# Altium PCB 6 Layers Motherboard.PcbDoc (part 2 of 2) (continued)
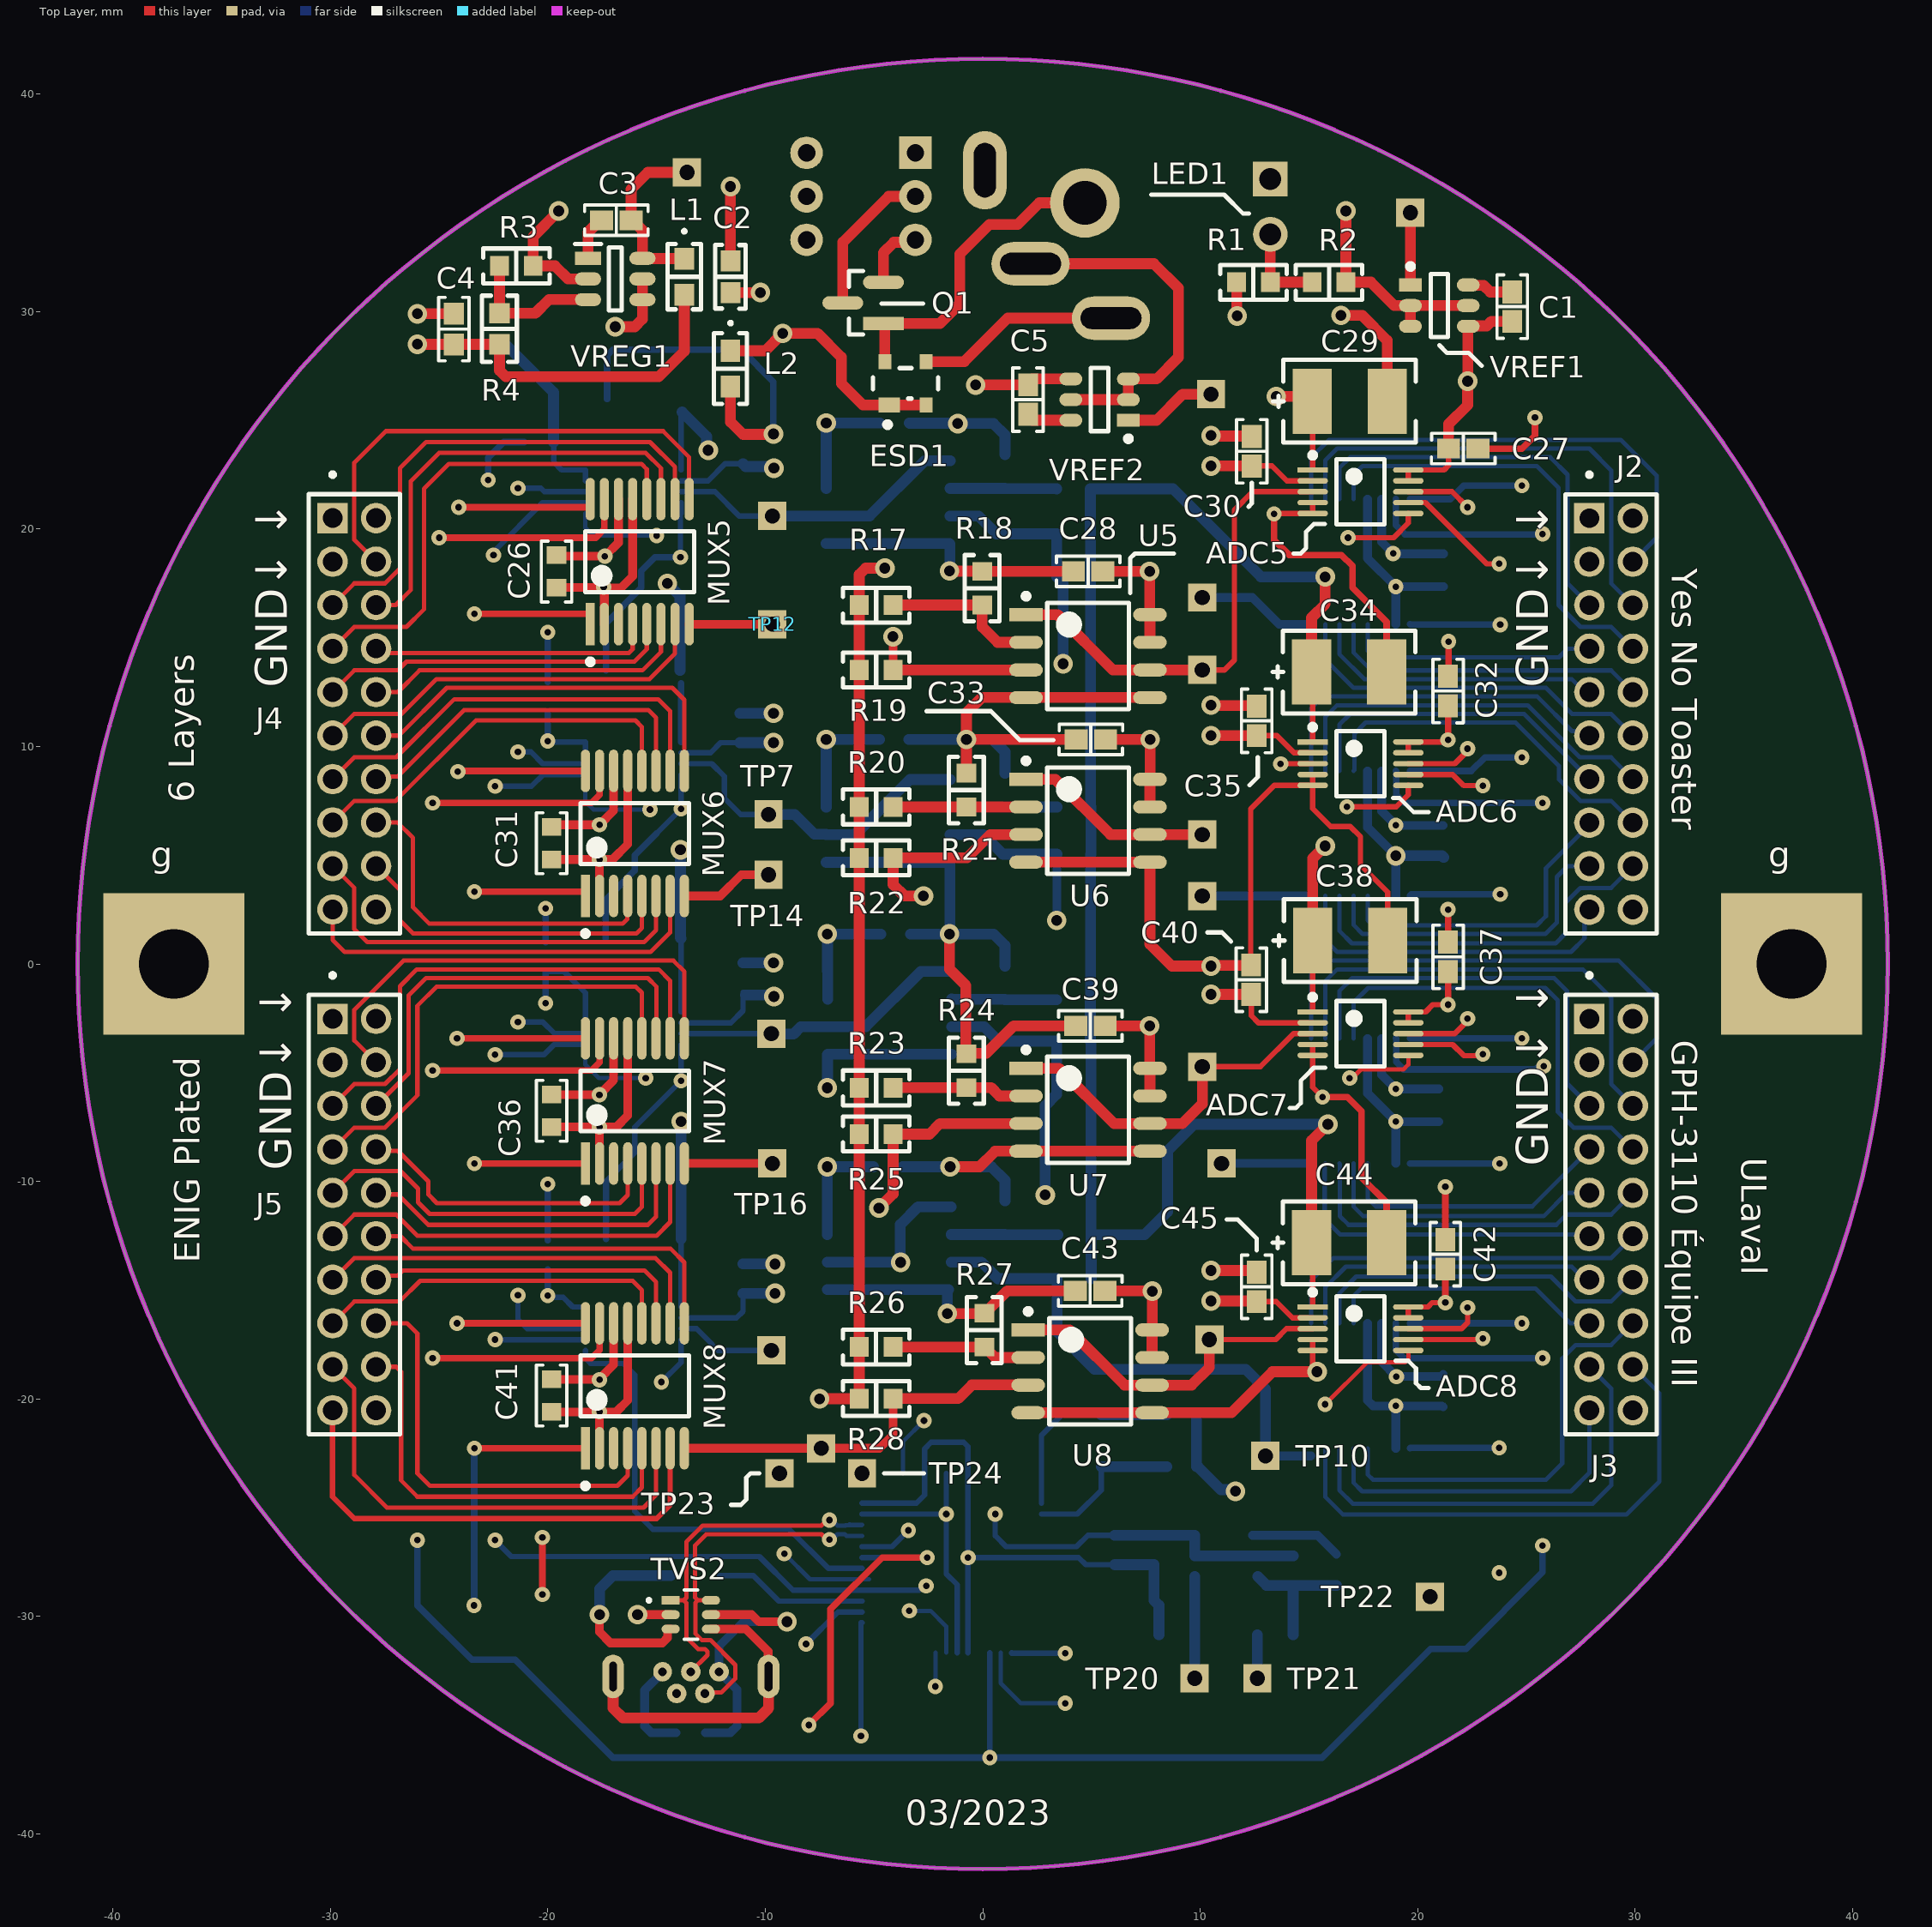
[diagram p0: Top Layer view]
## Nets (pads, with @x,y where several pads share a name; then routed paths per layer and width w, separated by ;. In a path a pad name is that pad's centre, name@x,y a point inside that pad or via, vN(x,y) a via of type N, cw(c..) or ccw(c..) an arc to the next point about the centre after c; other vN are vias at no path point) (continued)
  Bottom Layer w0.2: MUX4.9@15.1,-16.525 15.1,-14.55 16.125,-13.525 28.9,-13.525 J3.15@29.9,-12.525
F1: J4.17 MUX5.4 | length 13.1
  Top Layer w0.2: J4.17@-27.9,14.502 -27.698,14.3 -16.275,14.3 -16.1,14.475 MUX5.4@-16.1,15.623
F2: J4.5 MUX5.5 | length 16.4
  Top Layer w0.2: J4.5@-29.9,12.502 -28.9,13.502 -26.898,13.502 -26.5,13.9 -16.021,13.9 -15.45,14.471 MUX5.5@-15.45,15.623
F3: J4.16 MUX5.6 | length 15.1
  Top Layer w0.2: J4.16@-27.9,12.502 -26.898,12.502 -25.9,13.5 -15.65,13.5 -14.8,14.35 MUX5.6@-14.8,15.623
F4: J4.6 MUX5.7 | length 18.7
  Top Layer w0.2: J4.6@-29.9,10.502 -28.9,11.502 -28.314,11.502 -26.723,11.502 -25.125,13.1 -15.325,13.1 -14.15,14.275 MUX5.7@-14.15,15.623
F5: J4.4 MUX5.12 | length 22.7
  Top Layer w0.2: J4.4@-29.9,14.502 -28.9,15.502 -28.314,15.502 -27.486,15.502 -27.484,15.5 -26.5,15.5 -25.7,16.3 -25.7,21.85 -24.55,23 -15.7,23 -15.45,22.75 MUX5.12@-15.45,21.374
F6: J4.18 MUX5.11 | length 20.6
  Top Layer w0.2: J4.18@-27.9,16.502 -26.998,16.502 -26.3,17.2 -26.3,22.2 -25,23.5 -15.5,23.5 -14.8,22.8 MUX5.11@-14.8,21.374
F7: J4.3 MUX5.10 | length 23.5
  Top Layer w0.2: J4.3@-29.9,16.502 -28.9,17.502 -27.486,17.502 -26.8,18.187 -26.8,22.8 -25.6,24 -15.3,24 -14.15,22.85 MUX5.10@-14.15,21.374
F8: J4.19 MUX5.9 | length 23.4
  Top Layer w0.2: J4.19@-27.9,18.502 -28.9,19.502 -28.9,23.05 -27.45,24.5 -14.7,24.5 -13.5,23.3 MUX5.9@-13.5,21.374
G1: J4.13 MUX6.4 | length 16.5
  Top Layer w0.2: J4.13@-27.9,6.502 -26.902,6.502 -26.2,5.8 -26.2,2.6 -25.447,1.847 -16.565,1.847 -16.351,2.061 -16.351,3.099 MUX6.4@-16.325,3.125
G2: J4.12 MUX6.5 | length 15.9
  Top Layer w0.2: J4.12@-27.9,4.502 -26.8,3.402 -26.8,2 -26.2,1.4 -15.925,1.4 -15.675,1.65 MUX6.5@-15.675,3.125
G3: J4.9 MUX6.6 | length 19.2
  Top Layer w0.2: J4.9@-29.9,4.502 -28.9,3.502 -28.9,1.6 -28.3,1 -15.575,1 -15.025,1.55 MUX6.6@-15.025,3.125
G4: J4.10 MUX6.7 | length 19.2
  Top Layer w0.2: J4.10@-29.9,2.502 -29.9,1.1 -29.35,0.55 -15.275,0.55 -14.375,1.45 MUX6.7@-14.375,3.125
G5: J4.8 MUX6.12 | length 18.3
  Top Layer w0.2: J4.8@-29.9,6.502 -28.9,7.502 -27.002,7.502 -23.303,11.2 -15.975,11.2 -15.675,10.9 MUX6.12@-15.675,8.875
G6: J4.14 MUX6.11 | length 16.8
  Top Layer w0.2: J4.14@-27.9,8.502 -27.777,8.625 -26.9,8.625 -23.85,11.675 -15.375,11.675 -15.025,11.325 MUX6.11@-15.025,8.875
G7: J4.7 MUX6.10 | length 20
  Top Layer w0.2: J4.7@-29.9,8.502 -28.9,9.502 -26.973,9.502 -24.3,12.175 -14.925,12.175 -14.375,11.625 MUX6.10@-14.375,8.875
G8: J4.15 MUX6.9 | length 18.6
  Top Layer w0.2: J4.15@-27.9,10.502 -26.848,10.502 -24.65,12.7 -14.275,12.7 -13.725,12.15 MUX6.9@-13.725,8.875
H1: J5.17 MUX7.4 | length 14.6
  Top Layer w0.2: J5.17@-27.9,-8.525 -27.825,-8.6 -26.9,-8.6 -25.5,-10 -25.5,-10.6 -25.1,-11 -16.7,-11 -16.325,-10.625 MUX7.4@-16.325,-9.175
H2: J5.5 MUX7.5 | length 18
  Top Layer w0.2: J5.5@-29.9,-10.525 -28.9,-9.525 -26.775,-9.525 -25.967,-10.333 -25.967,-10.967 -25.434,-11.5 -16,-11.5 -15.675,-11.175 MUX7.5@-15.675,-9.175
H3: J5.16 MUX7.6 | length 16.1
  Top Layer w0.2: J5.16@-27.9,-10.525 -27.825,-10.6 -26.9,-10.6 -25.5,-12 -15.4,-12 -15.025,-11.625 MUX7.6@-15.025,-9.175
H4: J5.6 MUX7.7 | length 19.3
  Top Layer w0.2: J5.6@-29.9,-12.525 -28.9,-11.525 -28.314,-11.525 ; -28.314,-11.525 -26.975,-11.525 -26,-12.5 -15,-12.5 -14.375,-11.875 MUX7.7@-14.375,-9.175
H5: J5.4 MUX7.12 | length 21.9
  Top Layer w0.2: J5.4@-29.9,-8.525 -28.9,-7.525 -27.486,-7.525 -26,-6.039 -26,-1.925 -25.125,-1.05 -15.95,-1.05 -15.675,-1.325 MUX7.12@-15.675,-3.425
H6: J5.18 MUX7.11 | length 20
  Top Layer w0.2: J5.18@-27.9,-6.525 -26.4,-5.025 -26.4,-1.45 -25.6,-0.65 -15.4,-0.65 -15,-1.05 -15,-3.4 MUX7.11@-15.025,-3.425
H7: J5.3 MUX7.10 | length 23.2
  Top Layer w0.2: J5.3@-29.9,-6.525 -28.9,-5.525 -27.486,-5.525 -26.8,-4.839 -26.8,-1.025 -26.025,-0.25 -14.9,-0.25 -14.375,-0.775 MUX7.10@-14.375,-3.425
H8: J5.19 MUX7.9 | length 22.2
  Top Layer w0.2: J5.19@-27.9,-4.525 -28.9,-3.525 -28.9,-2.11 -26.64,0.15 -14.225,0.15 -13.725,-0.35 MUX7.9@-13.725,-3.425
I1: J5.13 MUX8.4 | length 19.9
  Top Layer w0.2: J5.13@-27.9,-16.525 -26.475,-16.525 -26,-17 -26,-23.425 -25.425,-24 -16.8,-24 -16.325,-23.525 MUX8.4@-16.325,-22.275
I2: J5.12 MUX8.5 | length 19.6
  Top Layer w0.2: J5.12@-27.9,-18.525 -26.975,-18.525 -26.75,-18.75 -26.75,-23.75 -26,-24.5 -16.1,-24.5 -15.675,-24.075 MUX8.5@-15.675,-22.275
I3: J5.9 MUX8.6 | length 22.3
  Top Layer w0.2: J5.9@-29.9,-18.525 -28.9,-19.525 -28.9,-23.5 -27.4,-25 -15.6,-25 -15.025,-24.425 MUX8.6@-15.025,-22.275
I4: J5.10 MUX8.7 | length 22.8
  Top Layer w0.25: J5.10@-29.9,-20.525 -29.9,-24.5 -28.9,-25.5 -15,-25.5 -14.375,-24.875 MUX8.7@-14.375,-22.275
I5: J5.8 MUX8.12 | length 16.7
  Top Layer w0.2: J5.8@-29.9,-16.525 -28.9,-15.525 -26.825,-15.525 -25.875,-14.575 -16.1,-14.575 -15.675,-15 MUX8.12@-15.675,-16.525
I6: J5.14 MUX8.11 | length 15.2
  Top Layer w0.2: J5.14@-27.9,-14.525 -27.71,-14.334 -26.9,-14.334 -26.666,-14.1 -15.55,-14.1 -15.025,-14.625 MUX8.11@-15.025,-16.525
I7: J5.7 MUX8.10 | length 18.5
  Top Layer w0.2: J5.7@-29.9,-14.525 -28.9,-13.525 -15.05,-13.525 -14.375,-14.2 MUX8.10@-14.375,-16.525
I8: J5.15 MUX8.9 | length 17.5
  Top Layer w0.2: J5.15@-27.9,-12.525 -26.775,-12.525 -26.2,-13.1 -14.35,-13.1 -13.725,-13.725 MUX8.9@-13.725,-16.525
MISO: ADC1.7 ADC2.7 ADC3.7 ADC4.7 ADC5.7 ADC6.7 ADC7.7 ADC8.7 ATSAMD1.28 TP22.1 | length 172.7
  Top Layer w0.25: ADC8.7@19.575,-17.275 22.95,-17.275 v1(23,-17.225) ; ADC7.7@19.575,-3.706 21.614,-3.706 22.125,-4.217 22.933,-4.217 v1(23,-4.15) ; ADC6.7@19.575,8.711 21.614,8.711 22.125,8.2 v1(23,8.2) ; ADC5.7@19.575,21.216 20.359,21.216 23.175,18.4 v1(23.75,18.4)
  Int2 (Sign) w0.25: v1(-22.425,-26.5) v1(-22.425,-17.275) v1(-22.425,-4.175) ; v1(23,-17.225) v1(23,-4.15)
  Int2 (Sign) w0.3: v1(-22.5,18.8) -22.463,18.762 -22.463,8.213 v1(-22.425,8.175) v1(-22.425,-4.175) ; v1(-2.6,-28.6) 10.762,-28.6 11.262,-29.1 TP22.1@20.575,-29.1 ; v1(23,-4.15) 23,16.55 23.75,17.3 v1(23.75,18.4)
  Int3 (Sign) w0.3: TP22.1@20.575,-29.1 20.575,-21.85 23,-19.425 v1(23,-17.225)
  Bottom Layer w0.25: v1(-22.5,18.8) -22.414,18.886 -22.414,19.043 -20.241,21.216 ADC1.7@-18.275,21.216 ; v1(-22.425,-26.5) -21.675,-27.25 -10.275,-27.25 -8.725,-28.8 ATSAMD1.28@-5.55,-28.8 -2.922,-28.8 -2.722,-28.6 v1(-2.6,-28.6) ; v1(-22.425,-4.175) -20.175,-4.175 -19.706,-3.706 ADC3.7@-18.275,-3.706 ; v1(-22.425,8.175) -20.75,8.175 -20.214,8.711 ADC2.7@-18.275,8.711 ; v1@-22.423,-17.277 ADC4.7@-18.275,-17.277
NetADC1_3: ADC1.3 TP5.1 U1.1 U1.6 | length 13.9
  Bottom Layer w0.25: ADC1.3@-13.875,21.716 -12.316,21.716 -11.2,20.6 TP5.1@-9.675,20.6
  Bottom Layer w0.5: TP5.1@-9.675,20.6 U1.6@-7.2,20.6 -5.2,20.6 -2.66,23.14 U1.1@-1.5,23.14
NetADC2_3: ADC2.3 TP7.1 U2.1 U2.6 | length 15.4
  Bottom Layer w0.25: ADC2.3@-13.875,9.211 -12.461,9.211 -11.875,8.625 -11.875,7.625 -11.125,6.875 TP7.1@-9.85,6.875
  Bottom Layer w0.5: TP7.1@-9.85,6.875 -8.65,6.875 -7.734,5.959 -7.219,5.959 U2.6@-7.2,5.94 -5.885,5.94 -3.345,8.48 U2.1@-1.5,8.48
NetADC3_3: ADC3.3 TP9.1 U3.1 U3.6 | length 13.6
  Bottom Layer w0.25: ADC3.3@-13.875,-3.206 TP9.1@-9.725,-3.206
  Bottom Layer w0.5: TP9.1@-9.706,-3.225 -8.7,-3.225 -8.36,-2.885 U3.6@-7.125,-2.885 -5.385,-2.885 -2.845,-0.345 U3.1@-1.425,-0.345
NetADC4_3: ADC4.3 TP11.1 U4.1 U4.6 | length 21.3
  Int2 (Sign) w0.5: TP11.1@-9.723,-17.773 -5.523,-17.773 -3.775,-16.025 v2(-3.775,-13.725)
  Bottom Layer w0.25: ADC4.3@-13.875,-16.777 -13.164,-16.777 -12.475,-17.466 -12.475,-17.475 -12.173,-17.777 -9.727,-17.777 TP11.1@-9.725,-17.775
  Bottom Layer w0.5: U4.6@-7.143,-13.717 v2@-3.782,-13.717 ; v2@-3.79,-13.71 -3.79,-11.99 -2.97,-11.17 U4.1@-1.45,-11.17
NetADC5_3: ADC5.3 TP13.1 U5.1 U5.6 | length 21.7
  Top Layer w0.25: TP13.1@10.1,13.52 11.12,13.52 11.575,13.975 11.575,20.875 12.416,21.716 ADC5.3@15.175,21.716
  Top Layer w0.5: U5.1@1.992,16.06 3.44,16.06 5.98,13.52 U5.6@7.692,13.52 TP13.1@10.1,13.52
NetADC6_3: ADC6.3 TP15.1 U6.1 U6.6 | length 16.3
  Top Layer w0.25: v1(13.7,9.2) 13.711,9.211 ADC6.3@15.175,9.211
  Top Layer w0.5: U6.1@1.992,8.49 3.335,8.49 5.875,5.95 U6.6@7.692,5.95 TP15.1@10.1,5.95
  Int2 (Sign) w0.3: TP15.1@10.1,5.95 10.1,7.2 12.1,9.2 v1(13.7,9.2)
NetADC7_3: ADC7.3 TP17.1 U7.1 U7.6 | length 16.9
  Top Layer w0.25: TP17.1@10.1,-4.725 12.775,-4.725 14.294,-3.206 ADC7.3@15.175,-3.206
  Top Layer w0.5: U7.1@1.992,-4.8 3.5,-4.8 6.04,-7.34 U7.6@7.692,-7.34 9.185,-7.34 10.1,-6.425 TP17.1@10.1,-4.725
NetADC8_3: ADC8.3 TP19.1 U8.1 U8.6 | length 16
  Top Layer w0.25: TP19.1@10.425,-17.275 13.475,-17.275 13.975,-16.775 ADC8.3@15.175,-16.775
  Top Layer w0.5: U8.1@2.092,-16.83 3.98,-16.83 6.52,-19.37 9.605,-19.37 10.425,-18.55 TP19.1@10.425,-17.275
NetC1_1: C1.1 VREF1.6 | length 2.1
  Top Layer w0.5: VREF1.6@22.344,31.206 23.036,31.206 23.342,30.9 C1.1@24.348,30.9
NetC2_2: C2.2 S1.1 VREG1.4 VREG1.5 | length 34.7
  Top Layer w0.5: v2(-16.9,29.3) -16,29.3 -15.65,29.65 VREG1.4@-15.65,30.55 VREG1.5@-15.65,31.5 ; C2.2@-11.6,30.873 v2@-10.226,30.874
  Int2 (Sign) w0.5: v2(-16.9,29.3) -15.149,29.3 -10.1,34.349 -10.1,38.4 -9,39.5 -3.8,39.5 -3.1,38.8 S1.1@-3.1,37.3
  Int3 (Sign) w0.5: v2(-16.9,29.3) -10.9,29.3 -10.225,29.975 v2(-10.225,30.875)
NetC3_1: C3.1 L1.1 TP3.1 VREG1.6 | length 8.2
  Top Layer w0.5: C3.1@-16.173,34.2 -16.173,35.627 -15.4,36.4 TP3.1@-13.6,36.4 ; C3.1@-16.1,34.2 -15.65,33.75 VREG1.6@-15.65,32.45 -15.638,32.438 L1.1@-13.737,32.438
NetC3_2: C3.2 VREG1.1 | length 2
  Top Layer w0.5: VREG1.1@-18.15,32.45 -18.15,33.65 C3.2@-17.6,34.2
NetC5_1: C5.1 VREF2.6 | length 1.8
  Top Layer w0.5: C5.1@2.289,25.002 VREF2.6@4.05,25.002
NetC46_2: C46.2 VREF3.4 | length 4.2
  Bottom Layer w0.4: VREF3.4@12.4,-26.273 15.398,-26.273 C46.2@16.275,-27.15
NetC50_2: C50.2 FB2.1 TP21.1 TVS2.5 USB1.1 | length 38.6
  Top Layer w0.4: TVS2.5@-12.498,-29.925 -10.625,-29.925 -10.501,-30.05 -10.3,-30.25 v2(-9,-30.25)
  Int2 (Sign) w0.3: v2(-9,-30.25) -3.865,-30.25 -3.665,-30.45 12,-30.45 12.63,-31.08 TP21.1@12.63,-32.85
  Bottom Layer w0.4: C50.2@-12.748,-35.35 -11.6,-35.35 -11.3,-35.05 -11.3,-33.375 USB1.1@-12.125,-32.55 -12.125,-31.375 -11,-30.25 v2(-9,-30.25)
  Bottom Layer w0.5: TP21.1@12.63,-32.85 FB2.1@12.63,-30.85
NetD1_1: D1.1 TVS2.3 USB1.4 | length 15.2
  Top Layer w0.4: v2(-17.625,-29.925) -17.625,-30.725 -17.125,-31.225 -14.733,-31.225 -14.499,-30.991 -14.499,-30.588 -14.496,-30.585 TVS2.3@-14.352,-30.585
  Int2 (Sign) w0.4: v2(-17.625,-29.925) -15.875,-31.675 -15.875,-32.825 -15.15,-33.55 USB1.4@-14.075,-33.55
  Bottom Layer w0.5: v2(-17.625,-29.925) -17.625,-28.75 -17,-28.125 D1.1@-14.352,-28.125
NetESD1_3: ESD1.3 J1.2 | length 9.3
  Top Layer w0.5: ESD1.3@-2.6,27.7 -0.85,27.7 1.15,29.7 J1.2@5.9,29.7
NetESD1_4: ESD1.4 J1.1 Q1.1 | length 14.7
  Top Layer w0.5: Q1.1@-4.565,29.45 Q1.1@-4.556,29.45 ; ESD1.4@-4.5,27.7 -4.5,29.394 Q1.1@-4.556,29.45 ; J1.1@4.7,35 2.6,35 1.6,34 0.3,34 -1.05,32.65 -1.05,30.375 -1.975,29.45 Q1.1@-4.556,29.45
NetFB1_2: FB1.2 TP20.1 VREF3.1 | length 4.7
  Bottom Layer w0.5: TP20.1@9.75,-32.85 FB1.2@9.75,-30.85 VREF3.1@9.75,-28.173
NetJ3_3: J3.3 MUX3.11 | length 18.8
  Bottom Layer w0.2: MUX3.11@16.4,-3.425 16.4,-1.25 17,-0.65 26.275,-0.65 26.875,-1.25 26.875,-5.5 J3.3@27.9,-6.525
NetJ3_4: J3.4 MUX3.4 | length 13
  Bottom Layer w0.2: MUX3.4@17.7,-9.175 17.7,-10.775 18.075,-11.15 25.275,-11.15 J3.4@27.9,-8.525
NetJ3_5: J3.5 MUX3.5 | length 13.5
  Bottom Layer w0.2: MUX3.5@17.05,-9.175 17.05,-11.15 17.5,-11.6 25.8,-11.6 26.875,-10.525 J3.5@27.9,-10.525
NetJ3_6: J3.6 MUX3.7 | length 15.1
  Bottom Layer w0.2: MUX3.7@15.75,-9.175 15.725,-9.2 15.725,-11.725 16.45,-12.45 27.825,-12.45 J3.6@27.9,-12.525
NetJ3_16: J3.16 MUX3.6 | length 16.7
  Bottom Layer w0.2: MUX3.6@16.4,-9.175 16.425,-9.2 16.425,-11.6 16.825,-12 26.375,-12 26.85,-11.525 28.9,-11.525 J3.16@29.9,-10.525
NetJ3_17: J3.17 MUX3.12 | length 20.9
  Bottom Layer w0.2: MUX3.12@17.05,-3.425 17.05,-1.775 17.725,-1.1 25.875,-1.1 26.45,-1.675 26.45,-6.8 27.175,-7.525 28.9,-7.525 J3.17@29.9,-8.525
NetJ3_18: J3.18 MUX3.10 | length 21.9
  Bottom Layer w0.2: MUX3.10@15.75,-3.425 15.75,-0.8 16.3,-0.25 27.6,-0.25 28.9,-1.55 28.9,-5.525 J3.18@29.9,-6.525
NetJ3_19: J3.19 MUX3.9 | length 23.3
  Bottom Layer w0.2: MUX3.9@15.1,-3.425 15.1,-0.275 15.525,0.15 29.25,0.15 31,-1.6 31,-3.425 J3.19@29.9,-4.525
NetLED1_2: LED1.2 R1.2 R2.2 | length 4.1
  Top Layer w0.5: LED1.2@13.227,33.55 R1.2@13.227,31.35 R2.2@15.15,31.35
NetMUX1_8: MUX1.8 R7.2 TP4.1 U1.3 | length 24.5
  Int2 (Sign) w0.5: v2(3.7,13.8) 6.75,16.85 TP4.1@10.1,16.85
  Bottom Layer w0.4: TP4.1@10.1,16.85 12.4,16.85 13.626,15.624 MUX1.8@15.1,15.624
  Bottom Layer w0.5: U1.3@-1.5,20.6 -0.2,20.6 0.625,19.775 R7.2@3.398,19.775 3.398,17.802 3.7,17.5 v2(3.7,13.8)
NetMUX2_8: MUX2.8 R10.2 TP6.1 U2.3 | length 20.5
  Int2 (Sign) w0.4: v2(3.4,2) 6,2 7.125,3.125 TP6.1@10.1,3.125
  Bottom Layer w0.4: v2(3.4,2) 3.412,2.012 R10.2@3.412,5.038 ; TP6.1@10.1,3.125 MUX2.8@15.1,3.125
  Bottom Layer w0.5: U2.3@-1.5,5.94 0.035,5.94 0.925,5.05 R10.2@3.412,5.05
NetMUX3_8: MUX3.8 R13.2 TP8.1 U3.3 | length 25.2
  Int2 (Sign) w0.5: v2(2.875,-10.625) 5.025,-10.625 6.487,-9.163 TP8.1@10.975,-9.163
  Bottom Layer w0.4: TP8.1@10.987,-9.175 MUX3.8@15.1,-9.175
  Bottom Layer w0.5: U3.3@-1.425,-2.885 0.06,-2.885 0.725,-3.55 R13.2@3.398,-3.55 3.398,-6.002 2.875,-6.525 v2(2.875,-10.625)
NetMUX4_8: MUX4.8 R16.2 TP10.1 U4.3 | length 23.5
  Bottom Layer w0.4: TP10.1@13,-22.625 15.09,-22.625 MUX4.8@15.1,-22.615
  Bottom Layer w0.5: U4.3@-1.45,-13.71 -0.065,-13.71 0.7,-14.475 R16.2@3.423,-14.475 R16.2@3.423,-14.475 3.425,-16.925 5.15,-18.65 12.1,-18.65 13,-19.55 TP10.1@13,-22.625
NetMUX5_8: MUX5.8 R19.2 TP12.1 U5.3 | length 17.3
  Top Layer w0.4: MUX5.8@-13.5,15.623 TP12.1@-9.675,15.623 ; R19.2@-4.124,13.521 v2(-4.125,15.05)
  Top Layer w0.5: R19.2@-4.123,13.52 U5.3@1.992,13.52
  Int2 (Sign) w0.4: TP12.1@-9.675,15.623 -7.698,15.623 -7.125,15.05 v2(-4.125,15.05)
NetMUX6_8: MUX6.8 R22.2 TP14.1 U6.3 | length 21.2
  Top Layer w0.4: MUX6.8@-13.725,3.125 -12.075,3.125 -11.1,4.1 TP14.1@-9.85,4.1
  Top Layer w0.5: v2(-2.725,3.125) -3.6,3.125 -4.123,3.648 R22.2@-4.123,4.875 -0.725,4.875 0.35,5.95 U6.3@1.992,5.95
  Int2 (Sign) w0.5: TP14.1@-9.85,4.1 -7.65,4.1 -6.675,3.125 v2(-2.725,3.125)
NetMUX7_8: MUX7.8 R25.2 TP16.1 U7.3 | length 20.6
  Top Layer w0.4: MUX7.8@-13.725,-9.175 TP16.1@-9.675,-9.175
  Top Layer w0.5: v2(-4.775,-11.225) -4.123,-10.573 -4.123,-8.031 -4.075,-7.983 R25.2@-4.075,-7.873 ; R25.2@-4.123,-7.825 -2.45,-7.825 -1.965,-7.34 U7.3@1.992,-7.34
  Int2 (Sign) w0.4: TP16.1@-9.675,-9.175 -9.675,-10.675 -9.125,-11.225 v2(-4.775,-11.225)
NetMUX8_8: MUX8.8 R28.2 TP18.1 U8.3 | length 18
  Top Layer w0.4: MUX8.8@-13.725,-22.275 TP18.1@-7.425,-22.275 -4.75,-22.275 -4.123,-21.648 R28.2@-4.123,-19.99
  Top Layer w0.5: R28.2@-4.123,-19.99 -1.13,-19.99 -0.5,-19.36 U8.3@2.082,-19.36
NetQ1_3: Q1.3 S1.2 | length 7
  Top Layer w0.5: Q1.3@-6.435,30.4 -6.435,33.19 -4.325,35.3 S1.2@-3.1,35.3
NetR3_1: R3.1 R4.1 VREG1.3 | length 6.5
  Top Layer w0.5: R3.1@-22.225,32.1 R4.1@-22.225,29.923 -20.577,29.923 -19.95,30.55 VREG1.3@-18.15,30.55
NetR5_2: R5.2 R6.1 U1.2 | length 4.9
  Bottom Layer w0.5: U1.2@-1.5,21.87 R6.1@1.025,21.87 1.035,21.86 3.388,21.86 R5.2@3.398,21.85
NetR8_2: R8.2 R9.1 U2.2 | length 4.9
  Bottom Layer w0.5: U2.2@-1.5,7.21 R9.1@1.025,7.21 ; R9.1@1.03,7.215 R8.2@3.418,7.215
NetR11_2: R11.2 R12.1 U3.2 | length 4.8
  Bottom Layer w0.5: U3.2@-1.425,-1.615 -1.408,-1.632 1.008,-1.632 R12.1@1.025,-1.65 R11.2@3.398,-1.65
NetR14_2: R14.2 R15.1 U4.2 | length 4.9
  Bottom Layer w0.5: U4.2@-1.445,-12.445 1.02,-12.445 R15.1@1.025,-12.45 R14.2@3.448,-12.45
NetR17_2: R17.2 R18.1 U5.2 | length 7.4
  Top Layer w0.5: R17.2@-4.123,16.502 R18.1@-0.025,16.502 -0.025,15.5 0.685,14.79 U5.2@1.992,14.79
NetR20_2: R20.2 R21.1 U6.2 | length 6.1
  Top Layer w0.5: R20.2@-4.123,7.22 R21.1@-0.75,7.22 U6.2@1.992,7.22
NetR23_2: R23.2 R24.1 U7.2 | length 6.3
  Top Layer w0.5: R23.2@-4.118,-5.694 R24.1@-0.756,-5.694 ; R24.1@-0.75,-5.688 0.388,-5.688 0.77,-6.07 U7.2@1.992,-6.07
NetR26_2: R26.2 R27.1 U8.2 | length 6.1
  Top Layer w0.5: R26.2@-4.125,-17.615 R27.1@0.075,-17.615 ; R27.1@0.281,-17.807 0.574,-18.1 U8.2@2.092,-18.1
NetTVS2_4: TVS2.4 USB1.6 USB1.7 | length 14.6
  Top Layer w0.4: TVS2.4@-12.498,-30.585 -10.89,-30.585 -9.868,-31.607 USB1.6@-9.868,-32.752
  Top Layer w0.5: USB1.7@-17,-32.77 -17,-34.225 -16.55,-34.675 -10.3,-34.675 -9.85,-34.225 USB1.6@-9.85,-32.77
SCLK: ADC1.8 ADC2.8 ADC3.8 ADC4.8 ADC5.8 ADC6.8 ADC7.8 ADC8.8 ATSAMD1.26 | length 175.6
  Top Layer w0.25: ADC8.8@19.575,-16.775 22.025,-16.775 22.3,-16.5 v1(22.3,-15.8) ; ADC7.8@19.575,-3.206 21.711,-3.206 v1@22.3,-2.617 ; ADC6.8@19.575,9.211 21.711,9.211 22.3,9.8 v1(22.3,9.9) ; ADC5.8@19.575,21.716 21.584,21.716 v1(22.3,21)
  Top Layer w0.3: v1(-20.25,-29) v1(-20.25,-26.375)
  Int2 (Sign) w0.3: v1(-20.25,-29) -14.7,-29 -12.425,-31.275 v1(-8.125,-31.275)
  Int3 (Sign) w0.3: v1(-20.25,-26.375) -20.875,-26.375 -21.375,-25.875 v1(-21.375,-15.239) v1(-21.375,-2.667) v1(-21.375,9.75) v1(-21.375,21.875) 21.425,21.875 v1(22.3,21) v1(22.3,9.9) v1(22.3,-2.517) v1(22.3,-15.8)
  Bottom Layer w0.25: v1(-21.375,-15.239) -21.375,-16.353 -20.951,-16.777 ADC4.8@-18.275,-16.777 ; v1(-21.375,-2.667) -20.233,-2.667 -19.694,-3.206 ADC3.8@-18.275,-3.206 ; v1(-21.375,9.75) -20.775,9.75 -20.236,9.211 ADC2.8@-18.275,9.211 ; v1(-21.375,21.875) -20.325,21.875 -20.166,21.716 ADC1.8@-18.275,21.716 ; v1(-8.125,-31.275) -6.65,-29.8 ATSAMD1.26@-5.55,-29.8
USBID: ATSAMD1.27 D1.2 | length 7.1
  Bottom Layer w0.25: D1.2@-12.127,-28.125 -10.55,-28.125 -9.375,-29.3 ATSAMD1.27@-5.55,-29.3
VBUS: C46.1 C49.2 FB2.2 VREF3.6 | length 6.1
  Bottom Layer w0.5: VREF3.6@12.652,-28.173 13.056,-28.577 C49.2@14.275,-28.577 ; FB2.2@14.275,-30.85 C49.2@14.275,-28.577 ; C46.1@16.275,-28.577 C49.2@14.275,-28.577
VDDCORE: ATSAMD1.43
VDDIN: ATSAMD1.6 ATSAMD1.17 ATSAMD1.36 ATSAMD1.40 ATSAMD1.44 C47.2 C48.1 FB1.1 | length 28.8
  Bottom Layer w0.25: ATSAMD1.36@-5.55,-24.8 -3.05,-24.8 -2.675,-24.425 ATSAMD1.40@-2.675,-23.425 ; ATSAMD1.40@-2.675,-23.425 -2.675,-22.3 -2.375,-22 -0.875,-22 -0.675,-22.2 ATSAMD1.44@-0.675,-23.425 v1(-0.675,-27.3) ; ATSAMD1.17@-0.675,-31.675 v1(-0.675,-27.3) ; C48.1@6.075,-27.627 4.737,-27.627 4.41,-27.3 ATSAMD1.6@2.7,-27.3 v1(-0.675,-27.3)
  Bottom Layer w0.5: C48.1@6.075,-27.627 C47.2@7.875,-27.627 7.875,-29.266 8.105,-29.495 FB1.1@8.105,-30.85
X1: J2.4 MUX1.4 | length 11.7
  Bottom Layer w0.2: MUX1.4@17.7,15.624 17.7,14.4 18,14.1 26.5,14.1 26.898,14.498 J2.4@27.9,14.498
X2: J2.16 MUX1.5 | length 14.9
  Bottom Layer w0.2: MUX1.5@17.05,15.624 17.05,14.325 17.877,13.498 28.9,13.498 J2.16@29.9,12.498
X3: J2.5 MUX1.6 | length 13.6
  Bottom Layer w0.2: MUX1.6@16.4,15.624 16.4,14.25 17.552,13.098 27.086,13.098 27.686,12.498 J2.5@27.9,12.498
X4: J2.15 MUX1.7 | length 17.2
  Bottom Layer w0.2: MUX1.7@15.75,15.624 15.75,14 17.052,12.698 25.902,12.698 27.102,11.498 28.314,11.498 28.9,11.498 J2.15@29.9,10.498
X5: J2.17 MUX1.12 | length 20.8
  Bottom Layer w0.2: MUX1.12@17.05,21.374 17.05,22.475 17.475,22.9 25.475,22.9 26.48,21.895 26.48,16.503 27.486,15.498 28.314,15.498 28.9,15.498 J2.17@29.9,14.498
X6: J2.3 MUX1.11 | length 18.9
  Bottom Layer w0.2: MUX1.11@16.4,21.374 16.4,22.8 16.9,23.3 26.1,23.3 26.9,22.5 26.9,17.498 J2.3@27.9,16.498
X7: J2.18 MUX1.10 | length 22.2
  Bottom Layer w0.2: MUX1.10@15.75,21.374 15.75,23.15 16.3,23.7 27.9,23.7 28.9,22.7 28.9,17.498 J2.18@29.9,16.498
X8: J2.19 MUX1.9 | length 23.2
  Bottom Layer w0.2: MUX1.9@15.1,21.374 15.1,23.275 15.925,24.1 29.35,24.1 31,22.45 31,19.598 J2.19@29.9,18.498
XIN32: ATSAMD1.1 C51.2 Y1.2 | length 9.3
  Bottom Layer w0.25: ATSAMD1.1@2.7,-24.8 2.7,-21.675 3.65,-20.725 Y1.2@5.45,-20.725
  Bottom Layer w0.5: Y1.2@5.45,-20.725 C51.2@8.473,-20.725
XOUT32: ATSAMD1.2 C52.2 Y1.1 | length 7.3
  Bottom Layer w0.25: ATSAMD1.2@2.7,-25.3 4.35,-25.3 5.45,-24.2 Y1.1@5.45,-23.125
  Bottom Layer w0.5: Y1.1@5.45,-23.125 C52.2@8.473,-23.125
pads on no net: ATSAMD1.3 ATSAMD1.4 ATSAMD1.7 ATSAMD1.8 ATSAMD1.9 ATSAMD1.10 ATSAMD1.11 ATSAMD1.12 ATSAMD1.21 ATSAMD1.22 ATSAMD1.23 ATSAMD1.24 ATSAMD1.37 ATSAMD1.39 ATSAMD1.41 ATSAMD1.45 ATSAMD1.46 ATSAMD1.47 ATSAMD1.48 MUX1.3 MUX2.3 MUX3.3 MUX4.3 MUX5.3 MUX6.3 MUX7.3 MUX8.3 S1.4 S1.5 S1.6

## Polygon pours and split planes (outlines as drawn)
+5 on Int4 (PWR) "+5V" (solid, remove dead copper, pour order 16): -41.625,0 ccw(c0,0) 0,-41.625 ccw(c0,0) 41.625,0 ccw(c0,0) 0,41.625 ccw(c0,0)
+3.3 on Int4 (PWR) "+3.3V-1" (solid, remove dead copper, pour order 12): 12.053,27.5 17.425,27.5 17.425,-17 12,-17
+3.3 on Int4 (PWR) "+3.3V-2" (solid, remove dead copper, pour order 13): -16.46,27.5 -11.5,27.5 -11.5,-17 -16.513,-17
+1.8 on Int4 (PWR) "+1.8V-1" (solid, remove dead copper, pour order 2): -11.459,27.5 -8.3,27.5 -8.3,-17 -11.512,-17
+1.8 on Int4 (PWR) "+1.8V-2" (solid, remove dead copper, pour order 3): 9.008,27.5 12,27.5 12,-17 8.955,-17
DGND on Int1 (GND) "DGND" (solid, remove dead copper, pour order 31): -41.625,0 ccw(c0,0) 0,-41.625 ccw(c0,0) 41.625,0 ccw(c0,0) 0,41.625 ccw(c0,0)
AGND on Int1 (GND) "AGND" (solid, remove dead copper, pour order 0): -16.375,27.5 16.875,27.5 16.875,-20.325 -16.375,-20.325

## Keep-outs
Keep-Out Layer:
  the board outline again, w0.2

## Silkscreen, mask and mechanical layers (free items; w line width, h text height)
Top Overlay:
  lines w0.2: -11.575,-24.875 -11.125,-24.875 -10.875,-24.625 -10.875,-23.625 -10.675,-23.425 -10.275,-23.425 ; -4.65,30.375 -2.75,30.375 ; -4.525,-23.425 -2.7,-23.425 ; -2.575,11.625 0.375,11.625 1.7,10.3 3.25,10.3 ; 6.775,17.05 6.775,18.65 7,18.875 7.025,18.875 8.8,18.875 ; 7.75,35.375 11.1,35.375 11.975,34.5 12.25,34.5 ; 10.325,1.45 11,1.45 11.425,1.025 ; 11.225,-11.75 11.725,-11.75 12.6,-12.625 12.6,-13.162 ; 12.223,21.023 12.375,21.175 12.375,21.475 12.375,22.119 ; 12.275,8.225 12.65,8.6 12.65,9.5 ; 14.125,-6.625 14.4,-6.625 14.625,-6.4 14.625,-5.375 14.875,-5.125 15.225,-4.775 15.75,-4.775 ; 14.3,18.875 14.625,18.875 14.875,19.125 14.875,19.875 15.125,20.125 15.225,20.225 15.725,20.225 ; 18.875,7.625 19.175,7.625 19.825,6.975 20.5,6.975 ; 19,-18.25 19.575,-18.25 19.925,-18.6 19.925,-19.275 20.15,-19.5 20.25,-19.5 20.5,-19.5 ; 21,28.45 21.35,28.1 22.35,28.1 22.95,27.5 ; 11.425,1.025 11.425,1.025
  text "LED1" at 7.76,35.86 h1
  text "Yes No Toaster" at 31.3,18.2 h2 r270
  text "GND↓ ↓" at -31.5,12.7 h2.5 r90
  text "GND↓ ↓" at 26.5,12.7 h2.5 r90
  text "6 Layers" at -35.875,7.425 h2 r90
  text "g" at -38.262,4.075 h2
  text "g" at 36.137,4.075 h2
  text "GPH-3110 Équipe III" at 31.3,-3.5 h2 r270
  text "ULaval" at 34.5,-8.9 h2 r270
  text "GND↓ ↓" at 26.5,-9.3 h2.5 r90
  text "GND↓ ↓" at -31.3,-9.5 h2.5 r90
  text "ENIG Plated" at -35.625,-13.75 h2 r90
  text "03/2023" at -3.55,-40 h2
Bottom Overlay:
  lines w0.2: -22.6,6.725 -19,6.725 -18.425,6.725 -17.525,7.625 ; -22.425,-18.625 -18.284,-18.625 -18.034,-18.375 -17.5,-18.375 ; -22.4,-5.5 -18.725,-5.5 -18.475,-5.25 -17.75,-5.25 -17.375,-4.875 ; -21.625,19.375 -17.9,19.375 -17.35,19.925 ; -12.275,-22 -8.875,-22 -8.6,-22.275 -8.35,-22.275 ; -11.2,12.375 -10.925,12.65 ; -11.025,0.831 -11.025,1.1 -10.65,1.475 -8.35,1.475 ; -11,25.2 -10.725,25.475 -10.7,25.5 -8.125,25.5 ; -10.9,12.675 -8.375,12.675 ; -8.875,-17.8 -8.4,-17.8 -7.75,-18.45 ; -2.25,2.125 -2,2.375 -1.45,2.375 -0.95,2.875 -0.45,2.875 2.025,2.875 ; 6.85,-29.375 7.425,-29.375 7.875,-28.925 7.875,-28.6 7.875,-28.413 ; 11.05,-28.925 11.05,-29.375 11.4,-29.725 15.375,-29.725 15.763,-30.112 15.763,-30.125 15.763,-30.813 ; 11.325,-16.375 11.894,-15.806 11.894,-14.381 12.325,-13.95 12.6,-13.675 12.925,-13.675 ; 15.75,-30.8 16.15,-31.2 16.625,-31.2
  text "↓ ↓GND" at -31,21 h2.5 r90
  text "↓ ↓GND" at 27,21 h2.5 r90
  text "g" at -36.178,4.075 h2
  text "g" at 38.222,4.075 h2
  text "Yes No Toaster" at 31,4 h2 r270
  text "↓ ↓GND" at -31,-2 h2.5 r90
  text "↓ ↓GND" at 27,-2 h2.5 r90
  text "ULaval" at 34,-14.7 h2 r270
  text "GPH-3110 Équipe III" at 31,-21 h2 r270
  text "03/2023" at 3.325,-39.925 h2
Mechanical 1:
  circle w0.2: c0,0 r41.625

## Text inside footprints (layer, text, board x,y; h text height)
LED1: Mechanical 15 "K" at 11.957,37.36 h0.76 r270